# Altium PCB SDR.PcbDoc (part 3 of 5)
Units mil, origin at the board's own origin, x right, y up, seen from the top; angles counter-clockwise.
Board outline 5725 x 2750 mil, 6 copper layers (Top Layer, Mid-Layer 1, Mid-Layer 2, Mid-Layer 3, Mid-Layer 4, Bottom Layer), stack 58.26 mil thick; 401 components, 323 nets, 1707 pads, 954 vias.
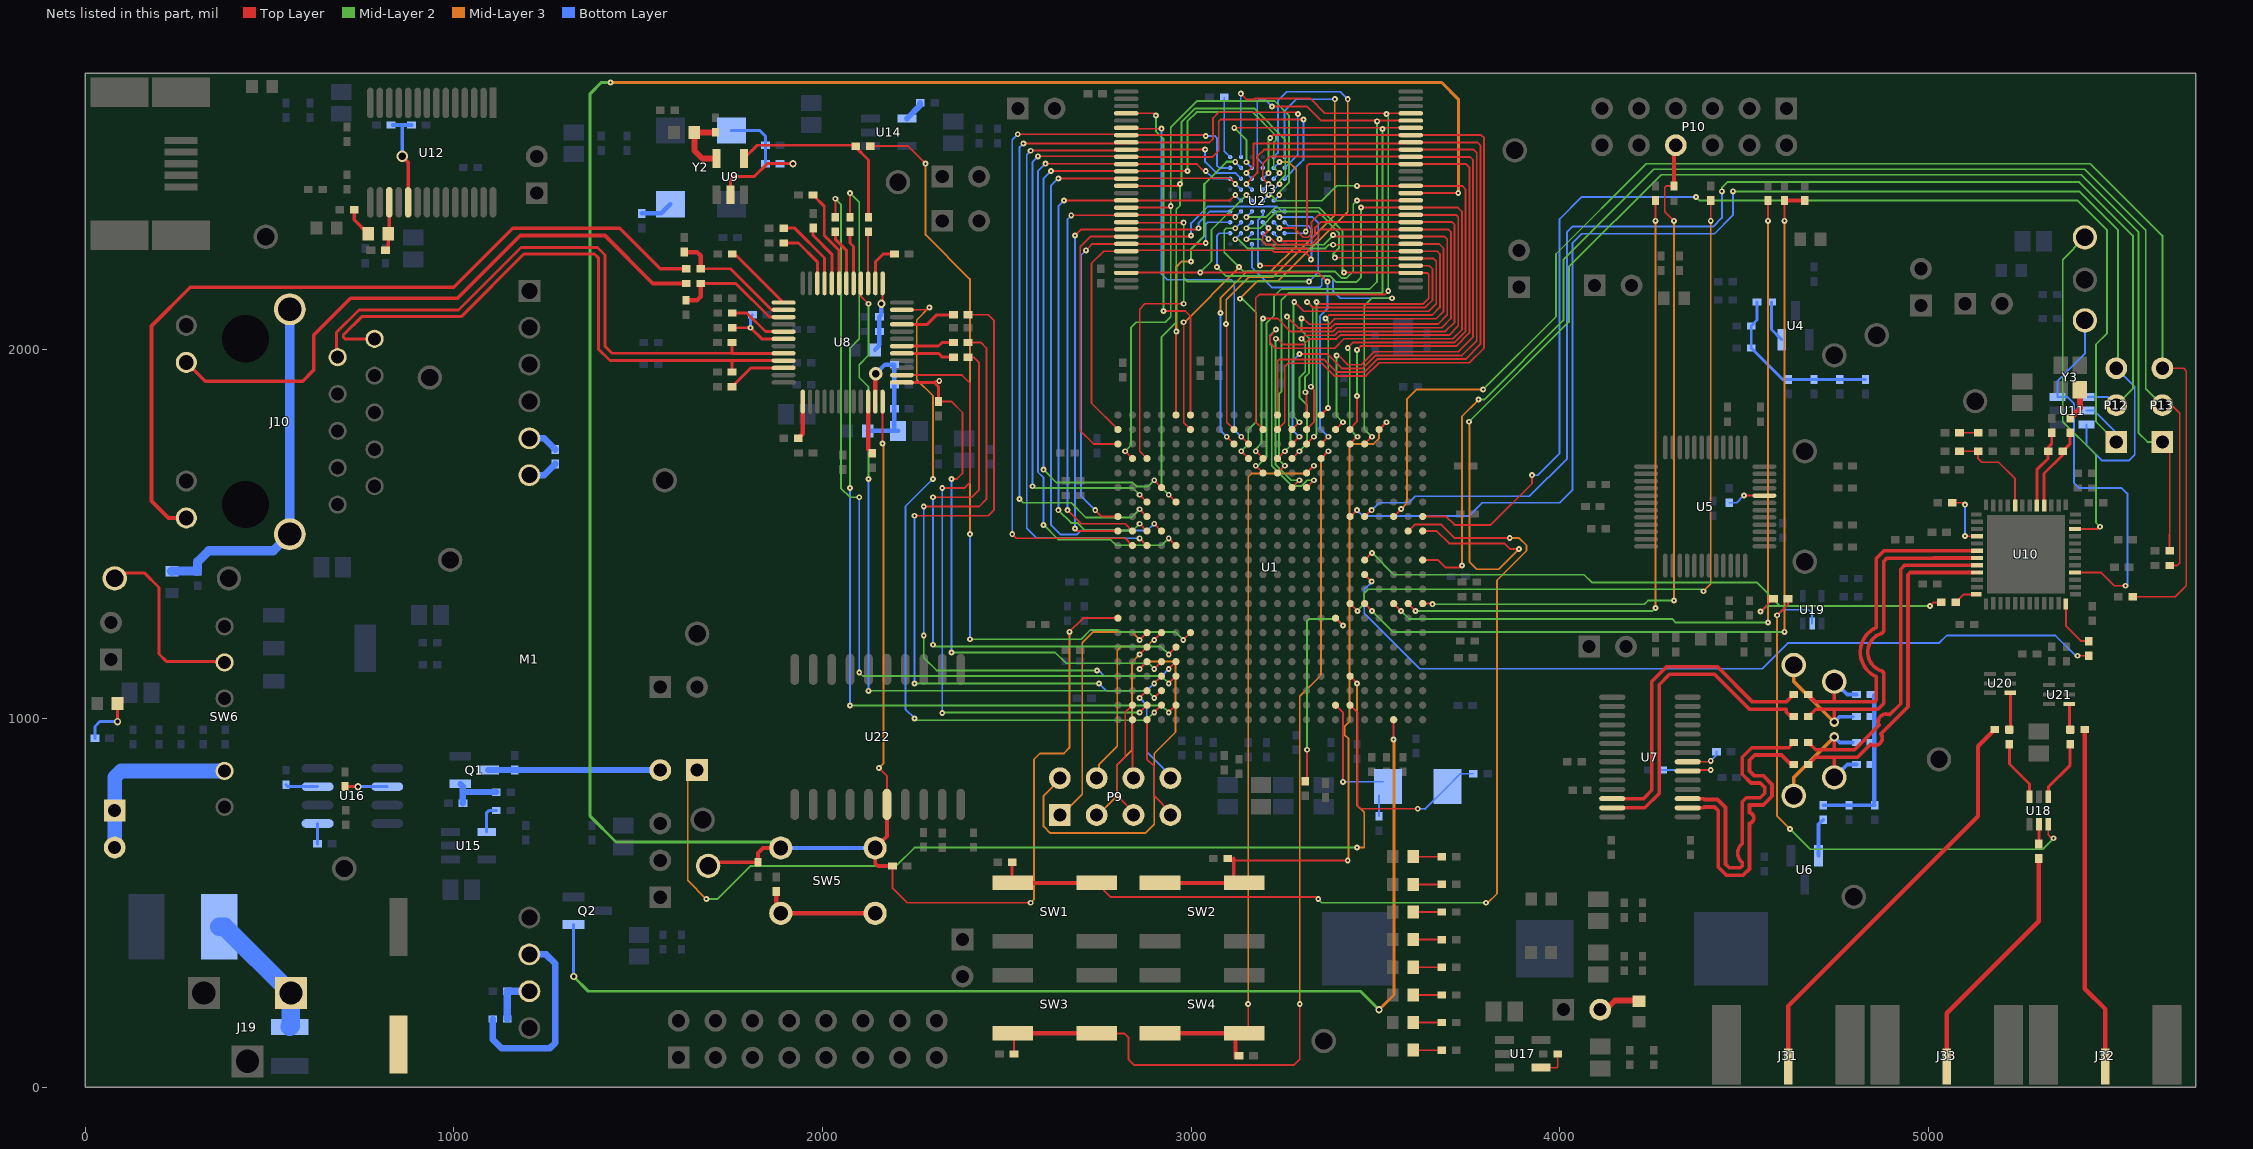
[diagram p7: the nets of this part, all layers, seen from the top]

## Via types
v1: diameter 16, hole 6, Top Layer to Bottom Layer, 767 vias
v2: diameter 32, hole 20, Top Layer to Bottom Layer, 74 vias
v3: diameter 20, hole 10, Top Layer to Bottom Layer, 59 vias
v4: diameter 26, hole 16, Top Layer to Bottom Layer, 14 vias
v5: diameter 36, hole 20, Top Layer to Bottom Layer, 12 vias
v6: diameter 24, hole 14, Top Layer to Bottom Layer, 7 vias
v7: diameter 22, hole 12, Top Layer to Bottom Layer, 6 vias
v8: diameter 30, hole 20, Top Layer to Bottom Layer, 5 vias
v9: diameter 150, hole 125, Top Layer to Bottom Layer, 4 vias
v10: diameter 26, hole 14, Top Layer to Bottom Layer, 2 vias
v11: diameter 20, hole 8, Top Layer to Bottom Layer, 1 vias
v12: diameter 18, hole 8, Top Layer to Bottom Layer, 1 vias
v13: diameter 22, hole 10, Top Layer to Bottom Layer, 1 vias
v14: diameter 29, hole 16, Top Layer to Bottom Layer, 1 vias

## Nets (pads, with @x,y where several pads share a name; then routed paths per layer and width w, separated by ;. In a path a pad name is that pad's centre, name@x,y a point inside that pad or via, vN(x,y) a via of type N, cw(c..) or ccw(c..) an arc to the next point about the centre after c; other vN are vias at no path point) (continued)
EMC_AB3: U1.B11 U2.A5 U3.25 | length 1862.6
  Top Layer w5: v1(3135,2695) 3150.5,2679.5 3171.42,2679.5 3173.99,2682.07 3322.93,2682.07 3363.31,2641.69 3530,2641.69 U3.25@3587.95,2641.69 ; U1.B11@3195.32,1784.02 3175.63,1803.7 3175.63,2140.63 3185,2150 3525,2150 v1(3535,2160)
  Mid-Layer 2 w5: v1(3530,2640) 3535,2635 v1(3535,2160)
  Bottom Layer w5: U2.A5@3135,2523.82 v1(3135,2695)
EMC_AB4: U1.E11 U2.B3 U3.24 | length 1870
  Top Layer w5: v1(3175.63,1685.59) U1.E11@3195.32,1665.91 ; v1(3220,2660) 3315,2660 3352.99,2622.01 3505,2622.01 U3.24@3587.95,2622.01
  Mid-Layer 2 w5: v1(3175.63,1685.59) 3180.59,1685.59 3205,1710 3205,1880 3204.5,1880.5 3204.5,2072.58 3225,2093.08 3225,2145 3245,2165 3485,2165 3504.5,2184.5 3504.5,2592.58 3504,2593.08 3504,2619 v1(3505,2620)
  Mid-Layer 3 w5: v1@3500,2620 v1(3505,2620)
  Bottom Layer w5: U2.B3@3194.76,2493.58 3194.76,2504.15 3179.5,2519.42 3179.5,2674.5 3185,2680 3200,2680 v1(3220,2660)
EMC_AB5: U1.E12 U2.B4 U3.23 | length 1817.1
  Top Layer w5: v1@3115,2600 v1(3117.32,2602.32) 3519.5,2602.32 U3.23@3587.95,2602.32 ; U1.E12@3234.69,1665.91 v1(3254.37,1685.59)
  Mid-Layer 2 w5: v1(3117.32,2602.32) 3150,2569.65 v1(3150,2508.82) ; v1(3254.37,1685.59) 3238.87,1701.09 3238.87,1881.13 3245.5,1887.76 3245.5,2082.58 3244.5,2083.58 3244.5,2134.5 3264.5,2154.5 3519.5,2154.5 v1(3519.5,2599.5)
  Bottom Layer w5: v1(3150,2508.82) U2.B4@3165.24,2493.58
EMC_AB6: U1.B12 U2.C3 U3.22 | length 2048.9
  Top Layer w5: v1(3215,2575) 3222.64,2582.64 U3.22@3595.83,2582.64 3787.36,2582.64 3795,2575 3795,2005 3755,1965 3510,1965 3474.5,1929.5 3389,1929.5 3355,1963.5 3263.5,1963.5 3254.37,1954.37 3254.37,1803.7 U1.B12@3234.69,1784.02
  Mid-Layer 2 w5: v1(3210,2479.29) 3210,2570 v1(3215,2575) v1@3215,2570
  Bottom Layer w5: U2.C3@3194.76,2464.06 v1(3210,2479.29)
EMC_AB7: U1.A12 U2.C4 U3.21 | length 2013.2
  Top Layer w5: v1(3150,2480) 3169.5,2499.5 3169.5,2559.5 3584.5,2559.5 3587.95,2562.95 U3.21@3595.83,2562.95 3777.05,2562.95 3785,2555 3785,2015 3745,1975 3505,1975 3469.5,1939.5 3395.5,1939.5 3361.5,1973.5 3238.5,1973.5 3235,1970 U1.A12@3235,1823.7
  Bottom Layer w5: v1(3150,2480) 3165.24,2464.76 U2.C4@3165.24,2464.06
EMC_AB8: U1.C13 U2.D4 U3.20 | length 2021.7
  Top Layer w5: v1(3150,2450) 3180,2480 3180,2525 3198.27,2543.27 U3.20@3595.83,2543.27 3766.73,2543.27 3775,2535 3775,2025 3735,1985 3500.86,1985 3465.36,1949.5 3408.58,1949.5 3369.08,1989 v1(3294.5,1989) ; U1.C13@3274.06,1744.65 v1(3293.74,1764.33)
  Bottom Layer w5: v1(3150,2450) 3150,2449.76 U2.D4@3165.24,2434.53 ; v1(3293.74,1764.33) 3275,1783.07 3275,1969.5 v1(3294.5,1989)
EMC_AB9: U1.D13 U2.H2 U3.10 | length 1600.3
  Top Layer w5: v1(3240,2300.71) 3245.11,2295.6 3321.66,2295.6 3336.6,2310.54 3336.6,2331.6 3351.42,2346.42 U3.10@3595.83,2346.42 3708.58,2346.42 3715,2340 3715,2075 3690,2050 3400,2050 3389.5,2039.5 3310,2039.5 3300.5,2030 v1(3300,2030) ; U1.D13@3274.06,1705.28 v1(3293.74,1724.96)
  Mid-Layer 2 w5: v1(3293.74,1724.96) 3315,1746.22 3315,1850 3294.5,1870.5 3294.5,1925.56 3310,1941.06 3310,2020 v1(3300,2030) v1@3300,2025
  Bottom Layer w5: U2.H2@3224.29,2316.42 v1(3240,2300.71) v1@3240.41,2300.3
EMC_AB10: U1.D11 U2.H3 U3.9 | length 1722.1
  Top Layer w5: v1(3175.63,1724.96) U1.D11@3195.32,1705.28 ; v1(3195,2085) 3235,2085 3270.5,2049.5 3384.5,2049.5 3395,2060 3680,2060 3705,2085 3705,2320 3698.27,2326.73 U3.9@3595.83,2326.73 3351.73,2326.73 3346.6,2321.6 3346.6,2306.4 3325.81,2285.6 ; v1(3210,2301.18) 3217.61,2301.18 3233.58,2285.21 3246.42,2285.21 3246.81,2285.6 3325.02,2285.6 3325.41,2285.21
  Mid-Layer 2 w5: v1(3175.63,1724.96) 3175.63,1730.63 3191.13,1746.13 3191.13,2081.13 v1(3195,2085)
  Bottom Layer w5: U2.H3@3194.76,2316.42 v1(3210,2301.18)
EMC_AB11: U1.D12 U2.H4 U3.8 | length 1653.4
  Top Layer w5: U1.D12@3234.69,1705.28 v1(3254.37,1724.96) ; v1(3260,2090) 3290.5,2059.5 3379.5,2059.5 3390,2070 3670,2070 3695,2095 3695,2300 3687.95,2307.05 U3.8@3595.83,2307.05 3389.68,2307.05 v1(3385.5,2311.23)
  Mid-Layer 2 w5: v1(3150,2300) 3189.26,2300 3204.05,2285.21 3360.21,2285.21 3385.5,2310.5 v1(3385.5,2311.23) ; v1(3254.37,1724.96) 3269.87,1740.46 3269.87,1790.13 3265,1795 v1@3265,2085
  Bottom Layer w5: v1(3150,2300) 3165.24,2315.24 U2.H4@3165.24,2316.42
EMC_AB12: U1.A14 U2.H5 U3.7 | length 1456.3
  Top Layer w5: v1(3300,2085) 3305,2085 3320.5,2069.5 3374.5,2069.5 3389.5,2084.5 3664.5,2084.5 3685,2105 3685,2275 3672.64,2287.36 U3.7@3595.83,2287.36 U3.7@3587.95,2287.36 ; v1(3310,1885) 3313.43,1881.57 U1.A14@3313.43,1823.39 ; v1(3385.5,2285) U3.7@3585.59,2285
  Mid-Layer 2 w5: v1(3120,2300) 3128.08,2300 3152.87,2275.21 3364.35,2275.21 3374.14,2285 v1(3385.5,2285) ; v1(3300,2085) 3300,2051.92 3320,2031.92 3320,1936.92 3309.5,1926.42 v1@3309.5,1885.5
  Bottom Layer w5: v1(3120,2300) 3135.71,2315.71 U2.H5@3135.71,2316.42
EMC_AB13: U1.A15 U2.G3 U3.6 | length 1297.9
  Top Layer w5: v1(3210,2330.71) 3210,2323.1 3194.5,2307.6 3194.5,2294.76 3203.58,2285.68 3218.97,2285.68 3229.44,2275.21 3314,2275.21 3321.54,2267.68 ; 3322.32,2267.68 U3.6@3595.83,2267.68 3667.32,2267.68 3675,2260 3675,2115 3654.5,2094.5 3374.5,2094.5 v1(3365,2085) ; U1.A15@3352.8,1823.39 v1(3372,1842.59)
  Mid-Layer 2 w5: v1(3365,2085) 3372,2078 v1(3372,1842.59)
  Bottom Layer w5: U2.G3@3194.76,2345.94 v1(3210,2330.71)
EMC_AB14: U1.B13 U2.G4 U3.5 | length 1546.6
  Top Layer w5: U1.B13@3274.06,1784.02 v1(3293.74,1803.7) ; v1(3280,2130) 3305.5,2104.5 3644.5,2104.5 3665,2125 3665,2240 3657.01,2247.99 U3.5@3595.83,2247.99 U3.5@3587.95,2247.99 ; v1(3390,2250) U3.5@3585.95,2250
  Mid-Layer 2 w5: v1(3150,2330) 3187.37,2330 3232.87,2375.5 3343.15,2375.5 3401,2317.65 3401,2275.21 3385,2259.21 3385,2255 v1(3390,2250) ; v1@3278.24,2128.24 3278.24,1819.2 v1(3293.74,1803.7)
  Bottom Layer w5: v1(3150,2330) 3150,2330.71 U2.G4@3165.24,2345.94
EMC_AB15: U1.B14 U2.F3 U3.4 | length 1425.3
  Top Layer w5: v1(3186.69,2228.31) U3.4@3595.83,2228.31 3646.69,2228.31 3655,2220 3655,2135 3634.5,2114.5 3330.5,2114.5 v1(3315,2130) ; U1.B14@3313.43,1784.02 3333.11,1803.7 3333.11,1891.89 v1(3325,1900)
  Mid-Layer 2 w5: v1(3315,2130) 3330,2115 v1@3330,1905
  Bottom Layer w5: v1(3186.69,2228.31) 3181.36,2233.64 3181.36,2351.5 3194.76,2364.9 U2.F3@3194.76,2375.47
EMC_AB16: U1.C14 U2.F4 U3.3 | length 1431
  Top Layer w5: U1.C14@3313.43,1744.65 v1(3333.11,1764.33) ; v1@3345.5,2124.5 3629.5,2124.5 3645,2140 3645,2205 3641.38,2208.62 U3.3@3595.83,2208.62 U3.3@3587.95,2208.62 ; v1(3415,2210) U3.3@3586.57,2210
  Mid-Layer 2 w5: v1(3150,2360) 3203.23,2360 3228.73,2385.5 3347.29,2385.5 3411,2321.79 3411,2214 v1(3415,2210) ; v1(3333.11,1764.33) 3340.5,1771.72 3340.5,2129.5 v1(3340,2130)
  Bottom Layer w5: v1(3150,2360) 3165.24,2375.24 U2.F4@3165.24,2375.47
EMC_AB17: U1.C15 U2.E4 U3.54 | length 1298.6
  Top Layer w5: U3.54@2832.05,2208.62 2833.43,2210 v1(3025,2210) 3025.5,2209.5 3345.5,2209.5 v1(3370,2185) ; U1.C15@3352.8,1744.65 v1(3372.48,1764.33)
  Mid-Layer 2 w5: v1(3025,2210) 3055.5,2240.5 3055.5,2325.5 v1(3150,2420)
  Bottom Layer w5: v1(3150,2420) 3150.24,2420 U2.E4@3165.24,2405 ; v1(3370,2185) 3370,2111.92 3349.5,2091.42 3349.5,1787.31 v1(3372.48,1764.33)
EMC_AB18: U1.B16 U2.D3 U3.19 | length 1773.6
  Top Layer w5: v1(3210,2449.76) 3194.5,2465.26 3194.5,2504.5 3214.79,2524.79 3586.74,2524.79 3587.95,2523.58 U3.19@3595.83,2523.58 3756.42,2523.58 3765,2515 3765,2035 3725,1995 3496.72,1995 3461.22,1959.5 3425.5,1959.5 3400,1985 v1(3395,1985) ; U1.B16@3392.17,1784.02 v1(3411.85,1803.7)
  Mid-Layer 2 w5: v1(3395,1985) 3395,1820.55 v1(3411.85,1803.7)
  Bottom Layer w5: U2.D3@3194.76,2434.53 v1(3210,2449.76)
EMC_AB19: U1.B17 U2.H1 U3.18 | length 1676.8
  Top Layer w5: v1(3311.1,2321.1) 3315,2325 3315,2500 3318.9,2503.9 U3.18@3595.83,2503.9 3746.1,2503.9 3755,2495 3755,2045.86 3719.14,2010 3460,2010 v1(3450,2000) ; U1.B17@3431.54,1786.46 3450,1804.92 v1(3450,1875)
  Mid-Layer 2 w5: v1(3450,1875) 3450.5,1875.5 v1@3450.5,1999.5
  Bottom Layer w5: U2.H1@3253.82,2316.42 3306.42,2316.42 v1@3309.5,2319.5
EMC_AB20: U1.F13 U2.G2 U3.11 | length 1832.8
  Top Layer w5: v1(3230,2030) 3235,2030 3250.5,2014.5 3306.42,2014.5 3321.42,2029.5 3394.5,2029.5 3405,2040 3700,2040 3725,2065 3725,2360 3718.9,2366.1 U3.11@3595.83,2366.1 3346.1,2366.1 3326.6,2346.6 3326.6,2314.68 3317.52,2305.6 3304.68,2305.6 3280.05,2330.24 v1(3240,2330.24) ; U1.F13@3274.06,1626.54 v1(3293.74,1646.22)
  Mid-Layer 2 w5: v1(3230,2030) 3228.87,2028.87 3228.87,1689.17 3271.82,1646.22 v1(3293.74,1646.22)
  Bottom Layer w5: U2.G2@3224.29,2345.94 v1(3240,2330.24)
EMC_AB21: U1.F14 U2.H6 U3.12 | length 2463.9
  Top Layer w5: v1(3230,2055) 3230,2052.42 3214.5,2036.92 3214.5,2018.87 3228.87,2004.5 3389.5,2004.5 3415,2030 3710,2030 3735,2055 3735,2375 3724.21,2385.79 U3.12@3595.83,2385.79 v1(3460.79,2385.79) ; U1.F14@3313.43,1626.54 v1(3333.11,1646.22)
  Mid-Layer 2 w5: v1(3070,2225) 3094.5,2200.5 3376.42,2200.5 3392.42,2184.5 3449.5,2184.5 3460.79,2195.79 v1(3460.79,2385.79) ; v1(3230,2055) 3214.5,2039.5 3214.5,2015.8 3218.87,2011.43 3218.87,1685.03 3273.18,1630.72 3300.16,1630.72 3315.66,1646.22 v1(3333.11,1646.22)
  Bottom Layer w5: v1(3070,2225) 3070,2310 3076.42,2316.42 U2.H6@3106.18,2316.42
EMC_AB22: U1.C17 U2.E3 U3.15 | length 1586.6
  Top Layer w5: v1(3425,2005) 3440,2020 3715,2020 3745,2050 3745,2435 3735.16,2444.84 U3.15@3595.83,2444.84 U3.15@3587.95,2444.84 ; U1.C17@3431.54,1744.65 v1(3451.22,1764.33) ; v1@3450.5,2444.84 3450.5,2444.5 U3.15@3587.95,2444.5
  Mid-Layer 2 w5: v1(3209.76,2420) 3217.37,2420 3232.87,2404.5 3354.5,2404.5 3395,2445 v1(3450,2445) ; v1(3425,2005) 3430.55,1999.45 3430.55,1785 v1(3451.22,1764.33)
  Bottom Layer w5: U2.E3@3194.76,2405 v1(3209.76,2420)
EMC_AB23: U1.C18 U2.J4 | length 1012.4
  Top Layer w5: U1.C18@3470.91,1744.65 v1(3490.59,1764.33)
  Mid-Layer 2 w5: v1(3490.59,1764.33) 3470,1784.92 3470,2120 3490,2140 v1(3545,2140)
  Mid-Layer 3 w5: v1(3545,2140) v1@3550,2140
  Bottom Layer w5: U2.J4@3165.24,2286.89 3165,2286.65 3165,2224 3219.5,2169.5 3349.5,2169.5 3354.5,2174.5 3354.5,2191.42 3363.58,2200.5 3376.42,2200.5 3385.5,2191.42 3385.5,2159.5 3405,2140 v1(3545,2140)
EMC_BYTE_NEN0: U1.B9 U2.A1 | length 1340
  Top Layer w5: v1(3095,2070) 3096.89,2068.11 3096.89,1803.7 U1.B9@3116.57,1784.02
  Mid-Layer 3 w5: v1(3095,2070) 3095.5,2070.5 3095.5,2135.5 3157,2197 3222,2197 3390,2365 v1(3390,2680)
  Bottom Layer w5: U2.A1@3253.82,2523.11 3253.82,2648.82 3285,2680 v1(3390,2680)
EMC_BYTE_NEN1: U1.C9 U2.B2 | length 958.5
  Top Layer w5: v1(3096.89,1764.33) U1.C9@3116.57,1744.65
  Mid-Layer 3 w5: v1(3080,2100) 3080,2141 3151.81,2212.81 3216.81,2212.81 3285.5,2281.5 3285.5,2489.5 3265.71,2509.29 v1(3240,2509.29)
  Bottom Layer w5: 3079.5,2003 3079.5,1781.72 v1(3096.89,1764.33) ; 3079.5,2004 3079.5,2099.5 v1(3080,2100) ; U2.B2@3224.29,2493.58 v1(3240,2509.29)
EMC_DB0: U1.K2 U2.B6 U3.35 | length 2084.7
  Top Layer w5: v1(2515,1500) 2526.26,1488.74 2821.3,1488.74 U1.K2@2840.98,1469.06 ; v1(2530,2585) 2824.17,2585 U3.35@2829.68,2585 ; U3.35@2832.05,2582.64 3037.36,2582.64 v1(3040,2580)
  Bottom Layer w5: v1(2515,1500) 2515,2570 v1(2530,2585) ; v1(3040,2580) 3065,2580 3070,2575 3070,2500 3076.42,2493.58 U2.B6@3106.18,2493.58
EMC_DB1: U1.K3 U2.C5 U3.37 | length 1994.4
  Top Layer w5: v1(2565,2540) 2565.5,2540.5 2824.17,2540.5 U3.37@2829.28,2540.5 ; U3.37@2832.05,2543.27 v1(3038.27,2543.27) ; v1(2860.67,1488.74) U1.K3@2880.35,1469.06
  Bottom Layer w5: v1(2565,2540) 2554.5,2529.5 2554.5,1515.5 2581.26,1488.74 v1(2860.67,1488.74) ; v1(3038.27,2543.27) 3038.27,2510 3068.27,2480 3119.76,2480 U2.C5@3135.71,2464.06
EMC_DB2: U1.K5 U2.C6 U3.39 | length 1908
  Top Layer w5: v1(2605,2505) 2824.17,2505 U3.39@2830.94,2505 ; U3.39@2832.05,2503.9 3016.1,2503.9 3035,2485 v1(3040,2485) ; v1(2939.41,1488.74) U1.K5@2959.09,1469.06
  Mid-Layer 2 w5: v1(2600,1525) 2639.5,1485.5 2781.42,1485.5 2796.92,1470 2920.67,1470 v1(2939.41,1488.74)
  Bottom Layer w5: v1(2600,1525) 2600,1653.08 2584.5,1668.58 2584.5,2484.5 v1(2605,2505) ; v1(3040,2485) 3060,2465 U2.C6@3105.24,2465
EMC_DB3: U1.J4 U2.D5 U3.41 | length 1787
  Top Layer w5: v1(2640,2465) 2824.17,2465 U3.41@2831.57,2465 ; U3.41@2832.05,2464.53 2833.02,2465.5 3104.5,2465.5 v1(3120,2450) ; v1(2900.04,1528.11) U1.J4@2919.72,1508.43
  Bottom Layer w5: v1(2640,2465) 2620,2445 2620,1525 2645.5,1499.5 2691.42,1499.5 2701.92,1510 2881.93,1510 v1(2900.04,1528.11) ; v1(3120,2450) 3120.24,2450 U2.D5@3135.71,2434.53
EMC_DB4: U1.J3 U2.E5 U3.44 | length 1617.5
  Top Layer w5: v1(2655,2405) 2824.17,2405 U3.44@2831.57,2405 ; U3.44@2832.07,2405.5 3105.5,2405.5 v1(3120,2420) ; v1(2860.67,1528.11) U1.J3@2880.35,1508.43
  Mid-Layer 2 w5: v1(2640,1565) 2674.5,1530.5 2691.42,1530.5 2711.92,1510 2842.56,1510 v1(2860.67,1528.11)
  Bottom Layer w5: v1(2640,1565) 2640,2390 v1(2655,2405) ; v1(3120,2420) 3135,2405 U2.E5@3135.71,2405
EMC_DB5: U1.J2 U2.F5 U3.46 | length 1472.1
  Top Layer w5: v1(2665,1565) 2701.89,1528.11 2821.3,1528.11 U1.J2@2840.98,1508.43 ; v1(2675,2365) 2824.17,2365 U3.46@2830.94,2365 ; U3.46@2832.05,2366.1 3113.9,2366.1 v1(3120,2360)
  Bottom Layer w5: v1(2665,1565) 2665,2355 v1(2675,2365) ; v1(3120,2360) 3135.47,2375.47 U2.F5@3135.71,2375.47
EMC_DB6: U1.J1 U2.F6 U3.48 | length 1370.8
  Top Layer w5: v1(2685,1515) 2691.57,1508.43 U1.J1@2801.61,1508.43 ; v1(2685,2310) 2701.73,2326.73 U3.48@2824.17,2326.73 3016.73,2326.73 v1(3020,2330)
  Bottom Layer w5: v1(2685,1515) v1(2685,2310) ; v1(3020,2330) 3020,2344 3051.47,2375.47 U2.F6@3106.18,2375.47
EMC_DB7: U1.H1 U2.G6 U3.50 | length 1241.1
  Top Layer w5: v1@2720,2275 2732.36,2287.36 U3.50@2824.17,2287.36 3037.36,2287.36 v1(3040,2290) ; v1(2740,1565) 2757.2,1547.8 U1.H1@2801.61,1547.8
  Bottom Layer w5: v1(2715,2270) 2701,2256 2701,1604 v1(2740,1565) ; v1(3040,2290) 3040,2340.94 3045,2345.94 U2.G6@3106.18,2345.94
EMC_DB8: U1.H3 U2.B1 U3.36 | length 2324.3
  Top Layer w5: v1(2545,2560) 2824.17,2560 U3.36@2829.09,2560 ; U3.36@2832.05,2562.95 3050,2562.95 3060,2572.95 3060,2629 3075.5,2644.5 3285.5,2644.5 v1(3290,2640) ; v1(2860.67,1567.48) U1.H3@2880.35,1547.8
  Mid-Layer 2 w5: v1(2535,1595) 2545,1585 2675,1585 2715,1545 2838.19,1545 v1(2860.67,1567.48)
  Bottom Layer w5: v1(2535,1595) 2535,2550 v1(2545,2560) ; U2.B1@3253.82,2493.58 3290,2529.76 3289.5,2530.26 v1@3289.5,2639.5
EMC_DB9: U1.G3 U2.C1 U3.38 | length 2218.9
  Top Layer w5: v1(2585,2525) 2824.17,2525 U3.38@2830.63,2525 ; U3.38@2832.05,2523.58 3058.58,2523.58 3075,2540 3075,2620 3079.5,2624.5 v1@3305,2624.5 ; v1(2860.67,1606.85) U1.G3@2880.35,1587.17
  Mid-Layer 2 w5: v1(2570,1630) 2575,1625 2842.52,1625 v1(2860.67,1606.85)
  Bottom Layer w5: v1(2570,1630) 2570,2510 v1(2585,2525) ; U2.C1@3253.82,2464.06 3295.5,2505.74 ; 3295.74,2505.74 3295.5,2505.74 ; v1(3305,2625) 3304.76,2624.76 3304.76,2515 3295.5,2505.74
EMC_DB10: U1.F4 U2.C2 U3.40 | length 2085.3
  Top Layer w5: v1(2620,2485) 2824.17,2485 U3.40@2831.26,2485 ; U3.40@2832.83,2485 v1(2990,2485) ; v1(2900.04,1646.22) U1.F4@2919.72,1626.54
  Mid-Layer 2 w5: v1(2600,1675) 2635,1640 2841.66,1640 2852.16,1629.5 2883.32,1629.5 v1(2900.04,1646.22) ; v1(2990,2485) 2990,2620 3015,2645 3166.92,2645 3230.5,2581.42 3230.5,2568.58 3224.5,2562.58 3224.5,2495.26 v1(3240,2479.76)
  Bottom Layer w5: v1(2600,1675) 2600,2465 v1(2620,2485) ; U2.C2@3224.29,2464.06 v1(3240,2479.76)
EMC_DB11: U1.G5 U2.D2 U3.42 | length 1690.3
  Top Layer w5: U3.42@2832.05,2444.84 2964.84,2444.84 v1(2970,2450) ; v1(2939.41,1606.85) U1.G5@2959.09,1587.17
  Mid-Layer 2 w5: v1(2939.41,1606.85) 2920,1626.26 2920,2035 2960,2075 2960,2381 2970,2391 v1(2970,2450) 2974.5,2454.5 2974.5,2618.64 3010.86,2655 3171.06,2655 3255.5,2570.56 3255.5,2473.34 3239.76,2457.61 v1(3239.76,2450)
  Bottom Layer w5: U2.D2@3224.29,2434.53 v1(3239.76,2450)
EMC_DB12: U1.D2 U2.E2 U3.45 | length 1733
  Top Layer w5: v1(2821.3,1724.96) U1.D2@2840.98,1705.28 ; U3.45@2832.05,2385.79 2940.79,2385.79 v1(2945,2390)
  Mid-Layer 2 w5: v1(2821.3,1724.96) 2836.8,1740.46 2836.8,2060 2851.8,2075 2930,2075 2945,2090 v1(2945,2390) 2945,2603.28 3017.22,2675.5 3226.42,2675.5 3265.5,2636.42 3265.5,2453.82 3239.29,2427.61 v1(3239.29,2420)
  Bottom Layer w5: U2.E2@3224.29,2405 v1(3239.29,2420)
EMC_DB13: U1.D3 U2.F2 U3.47 | length 1555.2
  Top Layer w5: U3.47@2832.05,2346.42 2833.46,2345 v1(2980,2345) ; U1.D3@2880.35,1705.28 2860.67,1724.96 2860.67,2110.67 2875,2125 v1(2980,2125)
  Mid-Layer 2 w5: v1(2980,2125) 2980,2195 ; v1(2980,2345) 2980,2195 ; v1(3320,2185) 2990,2185 2980,2195
  Bottom Layer w5: U2.F2@3224.29,2375.47 v1(3239.76,2360) 3330,2360 3345,2345 3345,2210 v1(3320,2185)
EMC_DB14: U1.C1 U2.F1 U3.49 | length 1236.9
  Top Layer w5: U1.C1@2801.61,1744.65 2735.35,1744.65 2699.5,1780.5 2699.5,2279.5 2727.05,2307.05 U3.49@2824.17,2307.05 v1@2997.05,2307.05
  Bottom Layer w5: v1(3000,2310) 3000,2344 3044.88,2388.88 3232.81,2388.88 3246.21,2375.47 U2.F1@3253.82,2375.47
EMC_DB15: U1.B1 U2.G1 U3.51 | length 1263.8
  Top Layer w5: U1.B1@2801.61,1784.02 2730,1855.63 2730,2235 2762.68,2267.68 U3.51@2824.17,2267.68 U3.51@2832.05,2267.68 ; U3.51@2834.37,2270 3220.5,2270 3225.3,2265.21 3309.86,2265.21 3325,2250.07 v1(3325,2245)
  Bottom Layer w5: U2.G1@3253.82,2345.94 3263.16,2336.6 3317.52,2336.6 3326.6,2327.52 3326.6,2246.6 v1(3325,2245)
EMC_NCS_FL: U1.A6 U3.32 | length 961.2
  Top Layer w5: U3.32@2832.05,2641.69 2898.31,2641.69 v1(2904.5,2635.5) ; v1(2925,2105) 2985,2105 2998.46,2091.54 U1.A6@2998.46,1823.39
  Mid-Layer 2 w5: v1(2904.5,2635.5) 2904.5,2593.58 2925,2573.08 v1(2925,2105)
EMC_NCS_RAM: U1.A5 U2.B5 | length 803
  Top Layer w5: U1.A5@2959.09,1823.39 v1@2959.09,2049.09
  Mid-Layer 2 w6: v1(3000,2240) 3000,2272.63 3036,2308.63 3036,2449 3097,2510 v1(3120,2510)
  Mid-Layer 3 w6: v1(2960,2050) 2960,2225 2975,2240 v1(3000,2240)
  Bottom Layer w5: v1@3120,2509.29 v1(3120,2510)
  Bottom Layer w6: v1@3120,2509.29 U2.B5@3135.71,2493.58
EMC_NOE_FL: U1.C10 U3.34 | length 1140.6
  Top Layer w5: U3.34@2834.37,2600 v1(2920,2600) ; v1(3136.26,1764.33) U1.C10@3155.94,1744.65
  Bottom Layer w5: v1(2920,2600) 2920,2205 2935,2190 3109,2190 3117,2182 3117,1783.59 v1(3136.26,1764.33)
EMC_NOE_RAM: U1.D10 U2.A2 | length 1540.3
  Top Layer w5: v1(3136.26,1724.96) U1.D10@3155.94,1705.28
  Mid-Layer 2 w5: v1(3132.5,2138.5) 3139.42,2138.5 3176,2101.92 3176,1804 3155,1783 3155,1743.7 v1(3136.26,1724.96)
  Mid-Layer 3 w5: v1(3132.5,2138.5) 3181,2187 3237,2187 3425,2375 v1(3425,2680)
  Bottom Layer w5: U2.A2@3224.29,2523.11 3235.5,2534.32 3235.5,2675.5 3260,2700 3405,2700 v1(3425,2680)
EMC_NRW: U1.B6 U2.G5 U3.13 | length 1347.6
  Top Layer w5: v1(2980,2075) 2980,1802.48 U1.B6@2998.46,1784.02 ; v1@3450.47,2405.47 U3.13@3587.95,2405.47
  Mid-Layer 2 w5: v1(3120,2330) 3095,2330 3090,2325 3090,2265 v1(3130,2225) 3142.19,2212.81 3390.27,2212.81 3408.58,2194.5 3421.42,2194.5 3440,2213.08 3440,2395 v1(3450,2405)
  Mid-Layer 3 w5: v1@2980,2073.08 2980.96,2074.04 3130,2223.08 v1(3130,2225)
  Bottom Layer w5: v1(3120,2330) 3120,2330.24 U2.G5@3135.71,2345.94
ETH_POE: C111.+ J12.1 M1.8 R47.2 SW6.4 | length 1051.8
  Top Layer w8: J12.1@65,1395 80,1395 160,1395 200,1355 200,1175 220,1155 SW6.4@375.13,1155
  Bottom Layer w18: R47.2@1105.31,185 1105.31,129.69 1130,105 1260,105 1275,120 1275,335 1250,360 M1.8@1205,360
J_GND: C107.2 J10.15 J10.16 R46.2 | length 986.4
  Bottom Layer w25: R46.2@235,1399.53 235.16,1399.69 C107.2@305,1399.69 305,1425 335,1455 510,1455 J10.16@555.08,1500.08 J10.15@555.08,2109.92
JTAG_TCK: R69.2 R72.2 U1.P18 | length 2396.1
  Top Layer w5: U1.P18@3470.91,1311.57 v1(3490.59,1291.89) ; v1(4610,2350) R72.2@4610,2405.31
  Top Layer w10: R72.2@4610,2405.31 R69.2@4665,2405.31
  Mid-Layer 2 w5: v1(3490.59,1291.89) 3547.48,1235 v1(4610,1235)
  Mid-Layer 3 w5: v1(4610,1235) v1(4610,2350)
JTAG_TDI: R74.2 U1.P17 | length 2079
  Top Layer w5: U1.P17@3431.54,1311.57 v1(3451.22,1291.89) ; v1(4410,2350) R74.2@4410,2405.31
  Mid-Layer 2 w5: v1(3451.22,1291.89) 3470,1310.67 3470,1340 3480.5,1350.5 4384.5,1350.5 v1(4390,1345)
  Mid-Layer 3 w5: v1(4390,1345) 4410,1365 v1(4410,2350)
JTAG_TDO: R75.1 U1.P21 | length 1787.8
  Top Layer w5: U1.P21@3589.02,1311.57 v1(3608.7,1291.89) ; v1(4260,2350) R75.1@4260,2405.32
  Mid-Layer 2 w5: v1(3608.7,1291.89) 4251.89,1291.89 v1(4260,1300)
  Mid-Layer 3 w5: v1(4260,1300) v1(4260,2350)
JTAG_TMS: R73.1 U1.P20 | length 2182
  Top Layer w5: U1.P20@3549.65,1311.57 v1(3569.33,1291.89) ; v1(4565,2350) R73.1@4565,2405.32
  Mid-Layer 2 w5: v1(3569.33,1291.89) 3591.22,1270 4305,1270 4315,1260 v1(4565,1260)
  Mid-Layer 3 w5: v1(4565,1260) v1(4565,2350)
JTAG_TRSTB: P10.8 R70.2 U1.P22 | length 1951.8
  Top Layer w5: U1.P22@3628.39,1311.57 v1@3653.43,1311.57 ; v1(4310,2350) 4285,2375 4285,2440 4289.69,2444.69 R70.2@4310,2444.69